# Allegro board MB1045.brd (continued)
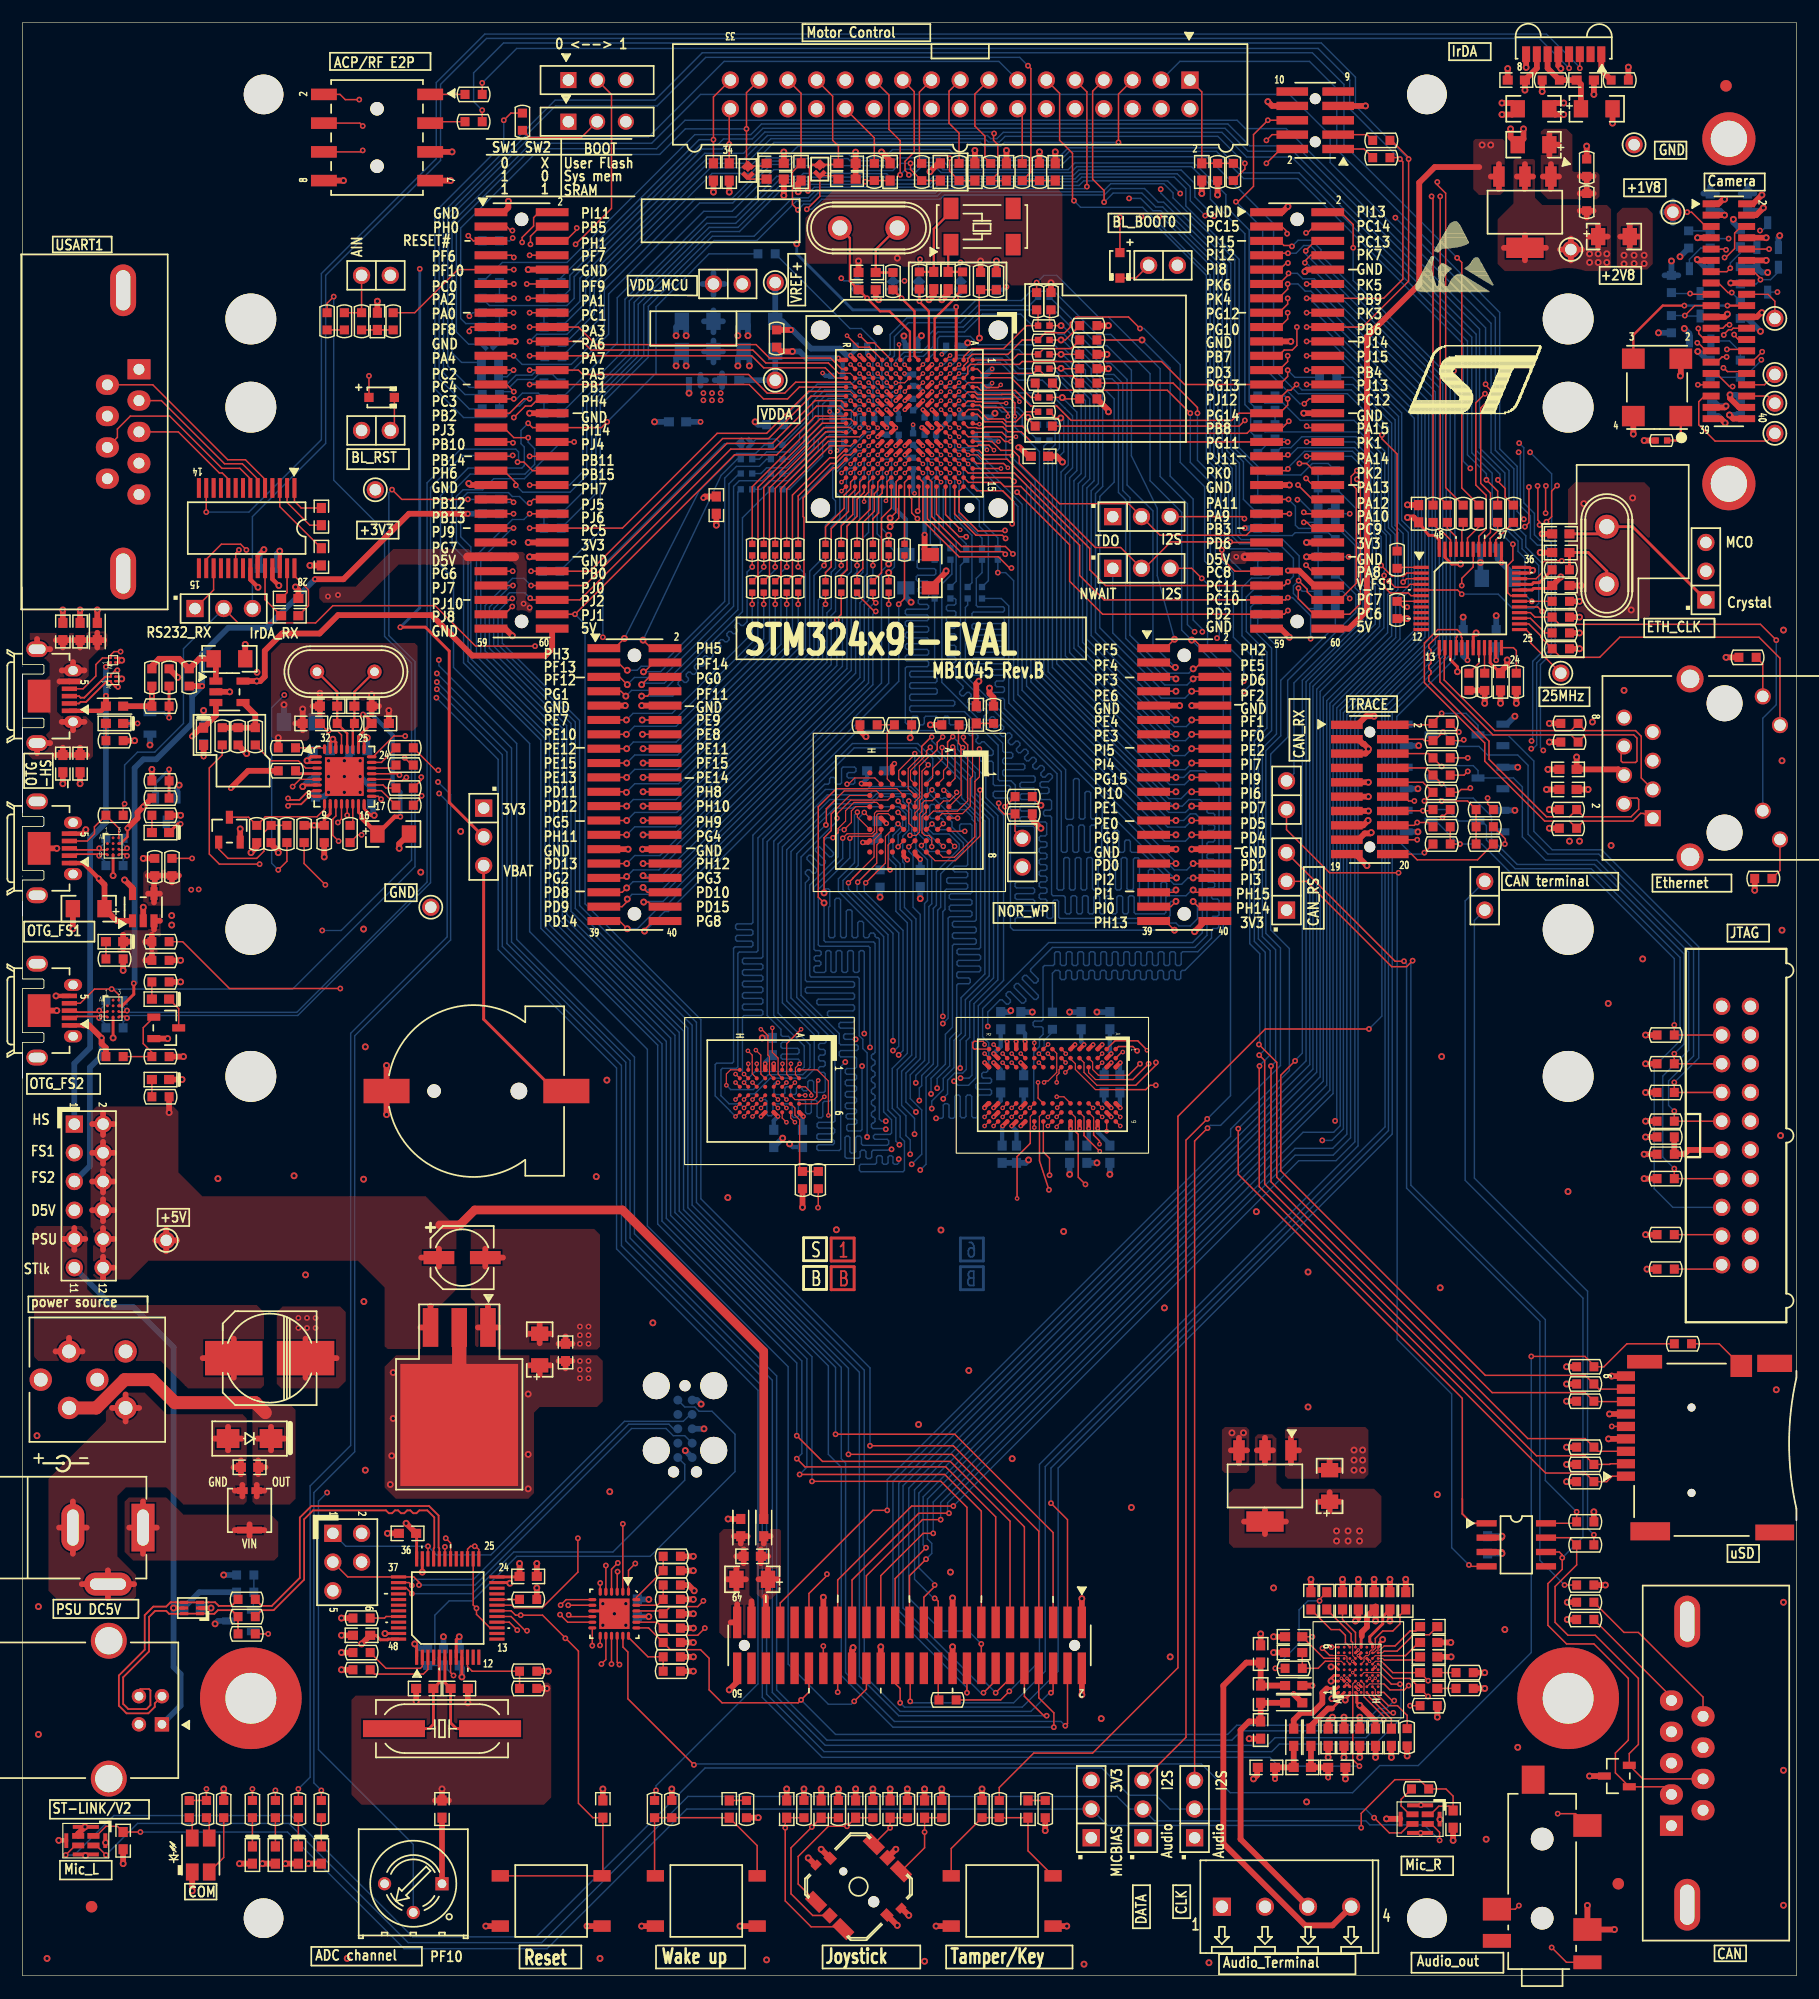
[diagram p0: board, top side]
## Routing (per net, layer and track width the routed paths; a pad name or vN(x,y) marks a point on that pad's centre or on a via; arc(x,y) is an arc through that point) (continued)
VBUS_FS1: length 180.6
  TOP w0.203: D5.B3 8.68,100.12 9.27,100.71 v1(9.27,101.47)
  TOP w0.381: CN14.1 5.36,98.4 v1(6.73,97.03)
  TOP w0.508: v1(9.27,101.47) 10.16,102.36 10.16,102.87 v1(10.67,103.38) R111.1 ; U9.1 8.31,93.29 C50.1 7.24,96.49 6.73,97 v1(6.73,97.03) ; CN7.54 114.2,122.94 112.88,124.26 v1(111.89,124.26)
  L4_SIG w0.508: JP12.3 3.18,74.17 3.18,76.45 6.1,79.38 6.1,94.74 6.73,95.38 v1(6.73,97.03) 5.84,97.92 5.84,100.33 6.99,101.47 v1(9.27,101.47) ; v1(10.67,103.38) 11.05,103.76 19.68,103.76 21.84,101.6 24,101.6 25.91,99.69 31.88,99.69 34.67,102.49 35.81,102.49 37.8,104.47 37.8,106.63 44.58,113.41 44.58,118.26 45.33,119.01 46.44,119.01 48.59,121.16 58.8,121.16 60.69,119.27 95.52,119.27 97.66,121.41 106.43,121.41 108.97,123.95 108.97,126.11 107.95,127.13 107.95,127.89 v1(108.08,128.02) 110.62,128.02 111.89,126.75 v1(111.89,124.26)
  BOTTOM w0.508: v1(108.08,128.02) R266.2
VBUS_FS2: length 90.9
  TOP w0.254: v1(9.83,87.76) 9.83,86.79 8.81,85.77 D6.B3
  TOP w0.381: 5.36,84.04 CN15.1
  TOP w0.508: v1(39.37,129.29) 34.16,129.29 28.37,123.49 v1(25.86,123.49) ; R83.1 v1(15.88,114.05) ; 5.36,84.04 5.87,84.04 v1(6.99,82.93) 6.99,82.42 7.37,82.04 R137.1
  L4_SIG w0.508: v1(9.83,87.76) 9.83,86.92 8,85.09 8,84.71 6.99,83.69 v1(6.99,82.93)
  BOTTOM w0.508: v1(39.37,129.29) R264.1 ; JP12.5 5.94,71.6 5.94,80.31 6.99,81.36 v1(6.99,82.93) ; v1(25.86,123.49) 21.56,119.2 18.19,119.2 15.88,116.89 v1(15.88,114.05) 14.99,113.16 14.99,110.74 11.81,107.57 10.67,107.57 9.91,106.81 9.91,87.83 v1(9.83,87.76)
VBUS_HS: length 46.5
  TOP w0.203: v1(7.37,115.75) 7.75,116.13 D3.A1
  TOP w0.381: L2.2 6.96,111.86 CN9.1
  TOP w0.508: L2.2 v1(7.37,113.18)
  BOTTOM w0.508: JP12.1 4.57,80.67 5.97,82.07 5.97,100.58 7.37,101.98 v1(7.37,113.18) v1(7.37,115.75)
VDD_MCU: length 47.7
  TOP w0.381: U3.H5 v2(78.01,139.29) ; v2(79.61,140.09) U3.G5 ; U3.E7 v2(80.41,138.49) ; U3.E9 v2(81.21,136.89) U3.E8 ; U3.J11 v2(77.21,134.49) ; v2(81.21,135.29) U3.E10 ; U3.K11 v2(76.41,134.49) ; U3.L10 v2(75.61,135.29) ; v2(75.61,138.49) U3.L7 ; U3.J5 v2(77.22,139.29) ; U3.F11 v2(80.41,134.49) ; U3.L8 v2(76.41,136.89) ; v2(79.61,134.49) U3.G11 ; U3.L9 v2(75.61,136.09) ; U3.H11 v2(78.01,134.49) ; U3.F5 v2(80.41,140.09) ; U3.K5 v2(76.41,140.09) ; U3.F4 v2(80.41,140.89)
  TOP w0.508: v1(88.04,135.15) 88.16,135.15 88.95,134.37 C25.2 ; v1(60.2,130.68) 60.33,130.81 C26.2
  BOTTOM w0.381: v2(75.61,138.49) 75.31,138.19 C122.1 ; v2(79.61,140.09) 79.11,140.59 C111.1 ; C118.1 85.6,137.79 v4(85.98,138.18) ; v2(86.28,135.66) 86.2,135.74 85.67,135.74 85.27,136.14 C127.1 ; C123.1 72.64,137.8 v2(72.06,138.38) 72.62,138.94 C114.1 ; v2(81.28,143.38) 81.66,143.76 C105.1 ; C125.1 80.77,135.73 v2(81.21,135.29) ; C130.1 78.26,134.24 v2(78.01,134.49) ; v2(72.01,134.87) 72.14,134.87 72.64,135.38 C129.1 ; C113.1 85.05,140.54 85.43,140.54 v2(85.72,140.84) ; C121.1 76.45,136.93 v2(76.41,136.89) ; v2(75.61,136.09) 75.79,136.27 C126.1 ; C115.1 78.17,139.45 v2(78.01,139.29) ; C120.1 80.77,138.12 v2(80.41,138.49) ; C106.1 78.02,144.23 78.02,144.47 77.9,144.58 77.9,144.86 77.93,144.88 v4(77.93,145.01) ; v2(79.61,134.49) 78.74,135.36 C128.1 ; C102.2 86.74,149.1 v1(87,149.35) ; C119.1 81.92,137.59 v2(81.21,136.89)
  BOTTOM w0.508: 61.09,146.3 61.93,146.3 ; 61.09,146.3 61.09,147.27 ; 61.09,146.3 61.09,145.34 ; 61.09,146.3 60.25,146.3 ; C112.1 59.94,141.58 ; C112.1 60.43,141.1 ; C112.1 59.94,140.61 ; JP2.2 62.05,149.61 ; JP2.2 61.09,148.64 ; JP2.2 60.12,149.61 ; JP2.2 61.09,150.57 ; 61.2,141.1 L10.1 ; L10.1 61.85,141.71 ; L10.1 61.85,140.49 ; C124.2 v1(59.94,137.41) ; 60.25,143.64 61.09,143.64 ; 61.09,143.64 61.09,144.6 ; 61.09,143.64 61.09,142.67 ; 61.09,143.64 61.93,143.64
  vias: v1(60.2,139.95) v1(60.2,139.32) v1(60.96,139.95) v1(60.96,139.32) v1(61.72,139.95) v1(61.72,139.32)
VDDA: length 15.6
  TOP w0.381: v2(72.14,143.05) 72.14,143.01 72.26,142.89 U3.R1
  TOP w0.508: R31.1 67.06,143.64 v4(68.07,143.64)
  BOTTOM w0.381: v2(72.14,143.05) 72.52,142.67 C110.2
  BOTTOM w0.508: L10.2 TP5.1 C108.1 v4(68.07,143.64) 68.71,143.64 69.29,143.05 v2(72.14,143.05)
A0: length 133.9
  TOP w0.102: U11.A3 69.22,78.61 69.74,78.09 v2(69.74,77.85) ; U10.G8 91.83,76.34 v2(91.44,75.95) ; U8.E2 77.47,105.81 77.47,106.58 78.84,107.95
  TOP w0.127: v5(78.89,108.08) 78.84,108.03 78.84,107.95 ; CN12.14 v4(103.38,109.78)
  L4_SIG w0.102: v4(103.38,109.78) 102.9,109.3 101.35,109.3 98.48,106.43 80.17,106.43 78.89,107.71 v5(78.89,108.08) ; v2(69.74,77.85) 69.74,77.84 70.21,77.37 71.32,77.37 71.42,77.47 71.7,77.47 71.9,77.27 72.11,77.27 72.31,77.47 72.51,77.47 72.72,77.27 72.92,77.27 73.12,77.47 73.33,77.47 73.53,77.27 73.73,77.27 73.94,77.47 74.14,77.47 74.34,77.27 74.55,77.27 74.75,77.47 74.95,77.47 75.16,77.27 75.36,77.27 75.56,77.47 75.77,77.47 75.97,77.27 76.17,77.27 76.38,77.47 76.58,77.47 76.78,77.27 76.98,77.27 77.19,77.47 77.39,77.47 77.59,77.27 77.8,77.27 78,77.47 78.2,77.47 78.41,77.27 78.61,77.27 78.81,77.47 79.21,77.47 v1(79.29,77.39) 79.57,77.11 83.59,77.11 84.28,77.81 89.83,77.81 91.44,76.2 v2(91.44,75.95)
  BOTTOM w0.127: v1(79.29,77.39) 79.29,78.5 79.5,78.71 79.5,79.6 80.53,80.63 80.53,94.39 80.8,94.65 80.8,97.64 82.8,99.64 82.8,99.69 82.82,99.7 82.82,100.06 81.92,100.97 80.52,100.97 79.88,101.6 79.88,104.14 78.89,105.13 v5(78.89,108.08) ; R231.2 91.15,142.11 91.62,141.65 91.62,141.65 93.98,139.29 93.98,132.59 93.34,131.95 93.34,117.6 101.73,109.22 102.82,109.22 v4(103.38,109.78)
A1: length 133.4
  TOP w0.102: U8.D2 78.51,105.77 78.51,106.58 79.88,107.95 ; U10.G9 91.44,75.12 v2(91.44,75.06) ; U11.A4 69.2,77.86 v2(69.2,77.85)
  TOP w0.127: v5(80.26,108.64) 79.93,108.31 79.93,108 79.88,107.95 ; CN12.12 v4(103.38,111.05)
  L4_SIG w0.102: v5(80.26,108.64) 80.26,108.46 81.53,107.19 97.89,107.19 101.22,110.52 102.84,110.52 v4(103.38,111.05) ; v2(69.2,77.85) 69.2,77.72 69.96,76.96 79.25,76.96 79.5,76.71 80.26,76.71 80.29,76.68 v1(80.39,76.68) 80.49,76.78 83.77,76.78 84.49,77.5 89.6,77.5 91.01,76.09 91.01,75.48 v2(91.44,75.06)
  BOTTOM w0.127: v5(80.26,108.64) 80.26,108.43 83.03,105.66 83.03,104.17 85.09,102.11 85.09,88.6 82.98,86.49 82.98,83.33 82.36,82.71 82.36,80.3 81.41,79.35 81.41,78.36 80.39,77.34 v1(80.39,76.68) ; v4(103.38,111.05) 103.38,110.95 102.9,110.46 101.83,110.46 94.11,118.19 94.11,131.57 94.74,132.21 94.74,139.61 93.22,141.13 93.22,141.57 92.04,142.75 91.44,142.75 R226.2
A2: length 130.3
  TOP w0.102: U8.C2 80.47,105.93 80.47,106.76 81.31,107.59 81.31,107.95 ; v2(70.89,77.72) 70.87,77.72 70.25,77.11 U11.A5 ; U10.F7 92.08,77.72 v2(91.44,77.72)
  TOP w0.127: v5(81.31,108.61) 81.31,107.95 ; CN12.8 v4(103.38,113.59)
  L4_SIG w0.102: v2(70.89,77.72) 70.97,77.72 71.07,77.82 79.66,77.82 79.93,77.55 v1(81.41,77.55) 83.49,77.55 84.06,78.11 84.45,78.11 84.46,78.11 91.06,78.11 v2(91.44,77.72) ; v4(103.38,113.59) 102.77,112.98 101.98,112.98 96.95,107.95 81.97,107.95 v5(81.31,108.61)
  BOTTOM w0.127: v4(103.38,113.59) 102.77,112.98 100.69,112.98 94.87,118.8 94.87,131.06 95.5,131.7 95.5,139.92 93.98,141.45 93.98,141.99 92.08,143.89 91.57,143.89 R224.2 ; v1(81.41,77.55) 81.41,77.6 81.79,77.98 81.79,79.19 82.42,79.82 83.12,79.82 83.44,80.14 83.44,82.68 83.74,82.98 83.74,86.13 85.85,88.24 85.85,102.43 83.92,104.36 83.92,105.97 81.31,108.58 v5(81.31,108.61)
A3: length 127.9
  TOP w0.102: 82.45,107.95 82.45,105.88 81.94,105.37 U8.A2 ; U11.B3 v2(68.29,78.98) ; v2(92.2,79.88) U10.F3
  TOP w0.127: v5(82.25,108.66) 82.45,108.46 82.45,107.95 ; v4(101.98,114.68) 101.8,114.86 CN12.5
  L4_SIG w0.102: v5(82.25,108.66) 82.25,108.69 82.6,109.04 83.41,109.04 83.97,109.6 96.77,109.6 101.85,114.68 v4(101.98,114.68) ; v2(92.2,79.88) 93.22,79.88 93.34,80.01 93.34,80.21 93.22,80.34 91.9,80.34 91.77,80.21 91.77,79.78 91.67,79.68 91.52,79.68 91.41,79.78 91.41,80.31 91.31,80.42 91.16,80.42 91.06,80.31 91.06,79.81 90.93,79.68 83.24,79.68 v1(82.93,79.38) 82.61,79.69 70.32,79.69 69.75,79.12 68.43,79.12 v2(68.29,78.98)
  BOTTOM w0.127: v1(82.93,79.38) 83.69,79.38 83.95,79.63 83.95,82.55 84.12,82.73 84.12,85.95 86.23,88.06 86.23,102.59 84.23,104.59 84.23,106.37 82.25,108.35 v5(82.25,108.66) ; R221.2 91.57,145.16 92.08,145.16 95,142.24 95,141.6 95.38,141.22 96.33,141.22 96.9,140.65 96.9,131.17 97.54,130.53 97.54,118.26 101.12,114.68 v4(101.98,114.68)
A4: length 133.3
  TOP w0.102: U8.B2 81.43,105.89 81.43,106.58 81.79,106.93 81.79,107.95 ; v2(92.24,81.53) 92.2,81.57 92.2,81.6 U10.G1 ; U11.B4 68.3,77.47 69.98,77.47 70.23,77.72 70.23,79.01 70.35,79.13 v2(70.35,79.17)
  TOP w0.127: v4(101.93,115.7) 101.6,115.7 101.17,116.13 CN12.3 ; v5(82.25,109.58) 82.25,109.55 81.79,109.09 81.79,107.95
  L4_SIG w0.102: v5(82.25,109.58) 82.58,109.58 83.49,110.49 96.39,110.49 101.6,115.7 v4(101.93,115.7) ; v2(70.35,79.17) 70.39,79.17 70.61,79.39 82.07,79.39 v1(82.36,79.1) 82.44,79.1 82.61,78.92 83.11,78.92 83.54,79.35 93.73,79.35 93.85,79.48 93.85,81.41 93.73,81.53 v2(92.24,81.53)
  BOTTOM w0.127: R217.2 91.31,147.19 95.9,142.61 96.22,142.61 97.66,141.16 97.66,131.83 99.95,129.54 99.95,117.68 v4(101.93,115.7) ; v5(82.25,109.58) 82.68,109.14 82.68,108.46 82.96,108.18 85.17,105.97 85.17,104.19 86.74,102.62 86.74,88.01 84.51,85.78 84.51,82.57 84.33,82.39 84.33,79.43 83.64,78.74 82.72,78.74 v1(82.36,79.1)
A5: length 132.2
  TOP w0.102: v2(92.22,80.75) 92.2,80.77 92.2,80.8 U10.G2 ; 79.5,107.95 78.31,106.76 78.31,104.97 U8.D3 ; U11.C3 v2(67.54,78.98)
  TOP w0.127: 79.5,107.95 79.5,108.71 80.34,109.55 v5(80.39,109.55) ; v4(101.85,118.19) 101.07,117.4 CN12.1
  L4_SIG w0.102: v5(80.39,109.55) 80.42,109.55 81.86,111 94.67,111 v4(101.85,118.19) ; v2(92.22,80.75) 93.38,80.75 93.5,80.87 93.5,81.03 93.38,81.15 91.76,81.15 91.66,81.05 91.66,80.82 91.56,80.72 91.36,80.72 91.26,80.82 91.26,81.03 91.13,81.15 90.95,81.15 90.83,81.03 90.83,80.77 90.7,80.64 90.37,80.64 90.25,80.52 90.25,80.39 90.37,80.26 90.65,80.26 90.78,80.14 90.78,80.01 90.65,79.88 84.56,79.88 84.18,80.26 v1(82.91,80.26) 82.65,80.01 70.31,80.01 69.75,79.45 68.01,79.45 v2(67.54,78.98)
  BOTTOM w0.127: R213.2 95.11,144.16 95.87,144.16 98.04,141.99 98.04,134.42 100.33,129.76 100.33,123.83 v4(101.85,118.19) ; v1(82.91,80.26) 82.91,82.72 83.36,83.17 83.36,86.31 85.47,88.42 85.47,102.27 83.54,104.2 83.54,105.69 81.28,107.95 80.87,108.36 80.87,108.74 80.39,109.22 v5(80.39,109.55)
A6: length 127.5
  TOP w0.102: U8.C3 v5(80.41,104.87) ; U10.G3 91.64,80.12 91.64,79.8 91.44,79.6 v2(91.44,78.99) ; U11.C4 v2(67.54,77.48)
  TOP w0.127: CN11.5 52.78,114.86 v4(53.47,114.17)
  L4_SIG w0.102: v5(80.41,104.87) 78.52,104.87 69.72,113.67 54.48,113.67 53.98,114.17 v4(53.47,114.17) ; v2(91.44,78.99) 90.81,78.36 84.45,78.36 84.39,78.42 83.93,78.42 83.49,77.98 v1(80.33,77.98) 79.93,77.98 79.7,78.21 68.26,78.21 v2(67.54,77.48)
  BOTTOM w0.127: v1(80.33,77.98) 80.33,79.35 81.6,80.62 81.6,83.25 82.22,83.87 82.22,91.08 82.35,91.21 84.2,91.21 84.33,91.34 84.33,91.59 84.2,91.72 82.35,91.72 82.22,91.85 82.22,92.1 82.35,92.23 84.2,92.23 84.33,92.35 84.33,92.61 84.2,92.74 82.35,92.74 82.22,92.86 82.22,93.12 82.35,93.24 84.2,93.24 84.33,93.37 84.33,101.88 83.95,102.26 83.95,102.49 83.31,103.12 82.17,103.12 81.74,103.55 81.74,103.73 81.8,103.79 81.8,103.97 81.62,104.15 81.44,104.15 81.38,104.09 81.2,104.09 80.42,104.87 v5(80.41,104.87) ; v4(53.47,114.17) 54.1,114.81 56.57,114.81 62.87,121.11 62.87,131.7 63.37,132.21 65.41,132.21 66.04,132.84 R253.2
A7: length 131.6
  TOP w0.102: U10.H1 91.44,81.56 91.44,79.88 90.68,79.12 90.45,79.12 v2(90.32,78.99) ; U8.A3 v5(81.45,104.83) ; U11.D4 v2(66.79,77.48)
  TOP w0.127: CN11.3 52.65,116.13 53.34,115.44 v4(53.47,115.44)
  L4_SIG w0.102: v2(66.79,77.48) 67.72,78.41 69.49,78.41 69.6,78.51 80.84,78.51 v1(80.87,78.49) 81.07,78.28 83.36,78.28 83.82,78.74 84.45,78.74 84.56,78.64 90.27,78.64 90.32,78.69 v2(90.32,78.99) ; v4(53.47,115.44) 54.13,114.78 70.64,114.78 79.88,105.54 80.74,105.54 v5(81.45,104.83)
  BOTTOM w0.127: v1(80.87,78.49) 80.87,79.35 81.98,80.46 81.98,82.87 82.6,83.49 82.6,87.6 82.73,87.72 83.67,87.72 83.79,87.85 83.79,88.1 83.67,88.23 82.73,88.23 82.6,88.36 82.6,88.65 82.73,88.77 84.58,88.77 84.71,88.9 84.71,89.15 84.58,89.28 82.75,89.28 82.63,89.41 82.63,89.66 82.75,89.79 84.58,89.79 84.71,89.92 84.71,90.17 84.58,90.3 82.75,90.3 82.63,90.42 82.63,90.68 82.75,90.81 84.58,90.81 84.71,90.93 84.71,101.95 84.45,102.21 84.45,102.36 83.19,103.63 82.91,103.63 81.71,104.83 v5(81.45,104.83) ; R250.2 65.79,134.11 65.15,133.48 63.12,133.48 62.08,132.44 62.08,121.54 56.34,115.8 54.69,115.8 54.34,115.44 v4(53.47,115.44)
A8: length 135.3
  TOP w0.102: U8.B6 81.41,101.87 v5(81.41,101.88) ; U11.H2 v2(63.04,79.73) ; v2(90.66,81.54) U10.H2
  TOP w0.127: CN11.4 55.8,116.13 54.99,115.32 54.91,115.32 v4(54.9,115.3)
  L4_SIG w0.102: v2(63.04,79.73) 63.04,80.26 63.37,80.6 63.37,83.31 64.9,84.84 v1(81.37,84.84) 81.37,85.88 81.5,86 81.74,86 81.86,85.88 81.86,85.5 81.99,85.37 82.22,85.37 82.32,85.47 82.32,85.89 82.44,86 82.61,86 82.73,85.89 82.73,85.47 82.83,85.37 83.03,85.37 83.13,85.47 83.13,85.89 83.25,86 83.42,86 83.54,85.89 83.54,85.47 83.64,85.37 83.85,85.37 83.95,85.47 83.95,85.89 84.07,86 84.23,86 84.35,85.89 84.35,85.47 84.45,85.37 84.66,85.37 84.76,85.47 84.76,85.89 84.88,86 85.05,86 85.17,85.89 85.17,85.47 85.27,85.37 85.47,85.37 85.57,85.47 85.57,85.89 85.69,86 85.86,86 85.98,85.89 85.98,85.47 86.08,85.37 86.33,85.37 86.46,85.5 86.46,85.88 86.59,86 86.74,86 86.87,85.88 86.87,84.86 87,84.73 87.86,84.73 87.96,84.84 87.96,85.29 88.06,85.39 88.27,85.39 88.37,85.29 88.37,84.84 88.47,84.73 89.87,84.73 90.27,84.33 90.27,82.22 90.66,81.83 v2(90.66,81.54) ; v5(81.41,101.88) 81.92,102.39 81.92,104.92 81.1,105.74 80.11,105.74 70.55,115.3 v4(54.9,115.3)
  BOTTOM w0.127: v1(81.37,84.84) 81.37,94.09 81.56,94.28 81.56,95.96 81.69,96.09 83.44,96.09 83.57,96.22 83.57,96.47 83.44,96.6 81.84,96.6 81.71,96.72 81.71,96.98 81.84,97.1 83.44,97.1 83.57,97.23 83.57,97.49 83.44,97.61 82.42,97.61 82.3,97.74 82.3,97.99 82.42,98.12 83.44,98.12 83.57,98.25 83.57,100.2 82.18,101.59 82.18,102.02 81.33,102.87 80.85,102.87 80.72,103 80.72,103.45 80.59,103.58 80.34,103.58 80.21,103.45 80.21,102.46 80.34,102.34 81.28,102.34 81.41,102.21 v5(81.41,101.88) ; v4(54.9,115.3) 54.91,115.32 56.41,115.32 62.46,121.36 62.46,131.93 63.37,132.84 R254.2
A9: length 134.9
  TOP w0.102: U11.H3 v2(63.04,78.98) ; U8.A6 82.07,101.21 v5(83.31,101.21) ; v2(89.86,80.74) U10.J3
  TOP w0.127: CN11.18 v4(54.86,107.24)
  L4_SIG w0.102: v2(63.04,78.98) 63.43,79.38 63.43,80.26 63.75,80.58 63.75,83.06 64.9,84.2 v1(81.37,84.2) 81.71,84.2 81.84,84.33 81.84,84.94 81.97,85.06 82.19,85.06 82.32,84.94 82.32,84.2 82.45,84.07 82.67,84.07 82.8,84.2 82.8,84.95 82.92,85.06 83.09,85.06 83.21,84.95 83.21,84.19 83.32,84.07 83.49,84.07 83.61,84.19 83.61,84.95 83.73,85.06 83.9,85.06 84.02,84.95 84.02,84.19 84.14,84.07 84.31,84.07 84.42,84.19 84.42,84.95 84.54,85.06 84.71,85.06 84.83,84.95 84.83,84.45 84.95,84.33 85.12,84.33 85.24,84.45 85.24,84.95 85.36,85.06 85.52,85.06 85.64,84.95 85.64,84.4 85.76,84.28 85.93,84.28 86.05,84.4 86.05,84.94 86.15,85.04 86.36,85.04 86.46,84.94 86.46,84.48 86.56,84.38 89.79,84.38 89.92,84.25 89.92,82.17 90.22,81.86 90.22,81.36 89.86,80.99 v2(89.86,80.74) ; v4(54.86,107.24) 64.92,107.24 70.84,101.32 71.25,101.32 71.78,101.85 72.69,101.85 73.04,101.51 76.51,101.51 76.54,101.48 78.9,101.48 79.54,100.84 82.17,100.84 82.54,101.21 v5(83.31,101.21)
  BOTTOM w0.127: v1(81.37,84.2) 81.37,84.21 81.84,84.68 81.84,93.52 81.97,93.65 83.82,93.65 83.95,93.78 83.95,94.03 83.82,94.16 82.07,94.16 81.94,94.28 81.94,94.54 82.07,94.67 83.82,94.67 83.95,94.79 83.95,95.05 83.82,95.17 82.07,95.17 81.94,95.3 81.94,95.55 82.07,95.68 83.82,95.68 83.95,95.81 83.95,101.73 83.82,101.85 82.98,101.85 82.85,101.73 82.85,101.33 82.98,101.21 v5(83.31,101.21) ; v4(54.86,107.24) 54.94,107.31 57.91,107.31 68.07,117.47 68.07,125.09 R273.2
A10: length 133.1
  TOP w0.102: U11.H4 v2(63.04,77.48) ; v5(80.41,101.85) 79.93,101.37 U8.C6 ; v2(91.48,76.76) U10.G7
  TOP w0.127: CN11.6 55.42,114.86 v4(54.74,114.17)
  L4_SIG w0.102: v2(91.48,76.76) 91.8,76.45 91.8,74.85 90.18,73.24 89.32,73.24 88.75,72.67 88.58,72.67 88.09,73.16 87.94,73.16 87.8,73.02 87.8,72.87 88.38,72.29 88.38,72.13 88.26,72.01 88.09,72.01 87.51,72.59 87.37,72.59 87.23,72.44 87.23,72.3 87.76,71.77 87.76,71.67 87.34,71.25 v1(79.38,71.25) 67.23,71.25 62.61,75.87 62.61,77.05 v2(63.04,77.48) ; v4(54.74,114.17) 70.74,114.17 79.65,105.26 80.57,105.26 80.8,105.03 80.8,102.25 v5(80.41,101.85)
  BOTTOM w0.127: v4(54.74,114.17) 54.86,114.3 56.74,114.3 63.25,120.8 63.25,131.19 R258.2 ; v1(79.38,71.25) 79.88,71.75 79.88,79.44 80.91,80.47 80.91,94.22 81.18,94.49 81.18,97.43 83.19,99.44 83.19,100.15 81.99,101.35 80.92,101.35 v5(80.41,101.85)
A11: length 134.5
  TOP w0.102: v2(90.66,75.14) U10.H9 ; U11.H5 v2(63.04,76.73) ; U8.D6 78.36,101.92 v5(78.36,103.89)
  TOP w0.127: CN11.7 52.91,113.59 v4(53.34,113.16)
  L4_SIG w0.102: v5(78.36,103.89) 78.36,104.52 71.25,111.63 62.68,111.63 62.57,111.73 62.57,111.91 62.47,112.01 62.27,112.01 62.17,111.91 62.17,111.73 62.07,111.63 61.86,111.63 61.76,111.73 61.76,111.91 61.66,112.01 61.46,112.01 61.36,111.91 61.36,111.73 61.25,111.63 61.05,111.63 60.95,111.73 60.95,111.91 60.85,112.01 60.64,112.01 60.54,111.91 60.54,111.73 60.44,111.63 60.24,111.63 60.14,111.73 60.14,111.91 60.03,112.01 59.83,112.01 59.73,111.91 59.73,111.73 59.63,111.63 59.43,111.63 59.32,111.73 59.32,111.91 59.22,112.01 59.02,112.01 58.92,111.91 58.92,111.73 58.82,111.63 58.61,111.63 58.51,111.73 58.51,111.91 58.41,112.01 58.21,112.01 58.1,111.91 58.1,111.73 58,111.63 57.8,111.63 57.7,111.73 57.7,111.91 57.6,112.01 57.39,112.01 57.29,111.91 57.29,111.73 57.19,111.63 56.99,111.63 56.89,111.73 56.89,111.91 56.78,112.01 56.58,112.01 56.48,111.91 56.48,111.73 56.38,111.63 56.17,111.63 56.07,111.73 56.07,111.91 55.97,112.01 55.77,112.01 55.67,111.91 55.67,111.73 55.56,111.63 54.48,111.63 53.98,112.14 53.98,112.52 v4(53.34,113.16) ; v2(63.04,76.73) 63.4,76.38 63.4,75.67 67.31,71.75 v1(78.61,71.75) 86.08,71.75 86.28,71.95 86.42,71.95 86.65,71.73 86.79,71.73 86.93,71.87 86.93,72.02 86.71,72.24 86.71,72.38 88.02,73.7 88.54,73.7 88.65,73.8 88.65,74.68 88.77,74.8 88.93,74.8 89.05,74.68 89.05,73.8 89.15,73.7 90.18,73.7 90.66,74.17 v2(90.66,75.14)
  BOTTOM w0.127: R257.2 63.65,128.93 63.65,120.62 56.69,113.67 53.85,113.67 v4(53.34,113.16) ; v5(78.36,103.89) 78.87,103.38 78.87,100.97 78.99,100.84 78.99,99.69 80.01,98.68 80.01,95.07 79.76,94.82 79.76,80.93 78.49,79.66 78.49,77.57 79.5,76.55 79.5,72.64 v1(78.61,71.75)
A12: length 116.3
  TOP w0.102: v2(63.79,78.98) U11.G3 ; U8.B7 v5(81.41,99.87)
  TOP w0.127: v4(53.42,97.21) 53.29,97.08 CN11.33
  L4_SIG w0.102: v5(81.41,99.87) 81.41,99.87 81.41,98.68 79.78,97.05 75.41,97.05 75.08,97.38 55.68,97.38 55.02,96.72 54.28,96.72 53.8,97.21 v4(53.42,97.21)
  BOTTOM w0.127: v5(81.41,99.87) 81.23,99.87 79.63,101.47 79.63,104.05 78.52,105.16 74.93,105.16 74.68,104.9 70.99,104.9 66.42,100.33 66.42,84.91 69.11,82.22 69.11,80.35 68.72,79.96 64.77,79.96 v2(63.79,78.98) ; v4(53.42,97.21) 54,97.79 56.26,97.79 73.66,115.19 73.66,122.17 R285.2
A13: length 120.6
  TOP w0.102: U8.A7 v5(82.41,99.87) ; v2(63.79,77.48) U11.G4
  TOP w0.127: CN11.34 55.07,97.08 v4(54.86,97.28)
  L4_SIG w0.102: v4(54.86,97.28) 55.02,97.28 55.45,97.71 75.26,97.71 75.59,97.38 79.48,97.38 80.9,98.81 80.9,99.92 81.31,100.33 81.95,100.33 v5(82.41,99.87)
  BOTTOM w0.127: R269.2 74.68,125.09 74.68,123.96 74.42,123.7 74.42,121.79 74.04,121.41 74.04,114.81 56.44,97.21 54.94,97.21 v4(54.86,97.28) ; v2(63.79,77.48) 64.29,77.98 64.72,77.98 66.12,79.38 69.22,79.38 70,80.16 70,83.21 67.18,86.03 67.18,99.82 71.37,104.01 74.99,104.01 75.5,104.52 78.49,104.52 79.12,103.89 79.12,101.09 79.88,100.33 79.88,99.69 80.16,99.42 81.96,99.42 v5(82.41,99.87)
A14: length 130.1
  TOP w0.102: v5(79.48,99.95) 79.49,99.95 U8.C7 ; v2(89.79,78.99) 89.79,77.61 U10.J7 ; U11.F3 v2(64.54,78.98)
  TOP w0.127: CN11.28 v4(54.86,100.89)
  L4_SIG w0.102: v5(79.48,99.95) 78.84,99.31 78.21,99.31 77.57,98.68 68.2,98.68 65.99,100.89 65.02,100.89 64.92,100.79 64.92,100.05 64.82,99.95 64.62,99.95 64.51,100.05 64.51,100.79 64.41,100.89 64.21,100.89 64.11,100.79 64.11,100.05 64.01,99.95 63.8,99.95 63.7,100.05 63.7,100.79 63.6,100.89 63.4,100.89 63.3,100.79 63.3,100.05 63.19,99.95 62.99,99.95 62.89,100.05 62.89,100.79 62.79,100.89 62.58,100.89 62.48,100.79 62.48,100.05 62.38,99.95 62.18,99.95 62.08,100.05 62.08,100.79 61.97,100.89 61.77,100.89 61.67,100.79 61.67,100.05 61.57,99.95 61.37,99.95 61.26,100.05 61.26,100.79 61.16,100.89 60.96,100.89 60.86,100.79 60.86,100.05 60.76,99.95 60.55,99.95 60.45,100.05 60.45,100.79 60.35,100.89 60.15,100.89 60.04,100.79 60.04,100.05 59.94,99.95 59.74,99.95 59.64,100.05 59.64,100.79 59.54,100.89 59.33,100.89 59.23,100.79 59.23,100.05 59.13,99.95 58.93,99.95 58.83,100.05 58.83,100.79 58.72,100.89 58.52,100.89 58.42,100.79 58.42,100.05 58.32,99.95 58.11,99.95 58.01,100.05 58.01,100.79 57.91,100.89 57.71,100.89 57.61,100.79 57.61,100.05 57.5,99.95 57.3,99.95 57.2,100.05 57.2,100.79 57.1,100.89 56.89,100.89 56.79,100.79 56.79,100.05 56.69,99.95 56.49,99.95 56.39,100.05 56.39,100.79 56.29,100.89 56.08,100.89 55.98,100.79 55.98,100.05 55.88,99.95 55.68,99.95 55.57,100.05 55.57,100.79 55.47,100.89 v4(54.86,100.89) ; v2(89.79,78.99) 84.44,78.99 84.39,79.04 83.7,79.04 83.24,78.59 82.07,78.59 81.94,78.71 81.94,78.96 81.83,79.07 81.67,79.07 81.56,78.96 81.56,78.82 81.43,78.69 81.28,78.69 81.15,78.82 81.15,78.94 81.03,79.07 80.5,79.07 80.4,78.97 80.4,78.92 80.3,78.82 80.1,78.82 80,78.92 80,78.97 79.89,79.07 79.09,79.07 v1(78.98,78.96) 70.84,78.96 70.7,78.82 69.35,78.82 69.15,78.61 65.02,78.61 64.65,78.98 v2(64.54,78.98)
  BOTTOM w0.127: R286.2 72.39,120.21 72.49,120.11 72.49,115.8 57.66,100.97 54.94,100.97 v4(54.86,100.89) ; v5(79.48,99.95) 79.48,99.72 80.39,98.81 80.39,94.79 80.14,94.54 80.14,80.77 78.98,79.62 v1(78.98,78.96)
A15: length 133.4
  TOP w0.102: U11.F4 v2(64.54,77.48) ; U8.D7 78.91,100.37 78.37,99.83 v5(78.36,99.83) ; v2(90.66,75.94) U10.H8
  TOP w0.127: CN11.25 v4(53.42,102.16)
  L4_SIG w0.102: v4(53.42,102.16) 54.1,101.47 55.95,101.47 56.05,101.57 56.05,102.16 56.16,102.26 56.36,102.26 56.46,102.16 56.46,101.57 56.56,101.47 56.76,101.47 56.87,101.57 56.87,102.16 56.97,102.26 57.17,102.26 57.27,102.16 57.27,101.57 57.37,101.47 57.58,101.47 57.68,101.57 57.68,102.16 57.78,102.26 57.98,102.26 58.09,102.16 58.09,101.57 58.19,101.47 58.39,101.47 58.49,101.57 58.49,102.16 58.59,102.26 58.8,102.26 58.9,102.16 58.9,101.57 59,101.47 59.2,101.47 59.3,101.57 59.3,102.16 59.41,102.26 59.61,102.26 59.71,102.16 59.71,101.57 59.81,101.47 60.02,101.47 60.12,101.57 60.12,102.16 60.22,102.26 60.42,102.26 60.52,102.16 60.52,101.57 60.63,101.47 60.83,101.47 60.93,101.57 60.93,102.16 61.03,102.26 61.24,102.26 61.34,102.16 61.34,101.57 61.44,101.47 61.64,101.47 61.74,101.57 61.74,102.16 61.84,102.26 62.05,102.26 62.15,102.16 62.15,101.57 62.25,101.47 62.45,101.47 62.56,101.57 62.56,102.16 62.66,102.26 62.86,102.26 62.96,102.16 62.96,101.57 63.06,101.47 63.27,101.47 63.37,101.57 63.37,102.16 63.47,102.26 63.67,102.26 63.78,102.16 63.78,101.57 63.88,101.47 64.08,101.47 64.18,101.57 64.18,102.16 64.28,102.26 64.49,102.26 64.59,102.16 64.59,101.57 64.69,101.47 64.89,101.47 64.99,101.57 64.99,102.16 65.1,102.26 65.3,102.26 65.4,102.16 65.4,101.57 65.5,101.47 65.99,101.47 68.4,99.06 77.58,99.06 v5(78.36,99.83) ; v2(64.54,77.48) 64.93,77.09 67.69,77.09 69.37,77.09 69.88,76.58 78.74,76.58 78.94,76.38 v1(78.99,76.38) 79.12,76.25 80.7,76.25 80.92,76.48 84.01,76.48 84.83,77.3 89.36,77.3 89.48,77.17 89.48,76.07 89.61,75.95 89.84,75.95 89.97,76.07 89.97,76.17 90.09,76.3 90.3,76.3 90.53,76.07 90.53,76.07 90.65,75.94 v2(90.66,75.94)
  BOTTOM w0.127: R271.2 71.88,125.09 71.88,124.49 71.5,124.11 71.5,120.9 71.12,120.52 71.12,116.15 57.84,102.87 54.13,102.87 v4(53.42,102.16) ; v1(78.99,76.38) 78.11,77.27 78.11,79.82 79.38,81.09 79.38,93.85 78.74,94.49 78.74,99.06 78.36,99.44 v5(78.36,99.83)
A16: length 114.2
  TOP w0.102: v2(65.29,77.48) U11.E4 ; v5(77.42,99.83) 77.42,99.88 U8.E7
  TOP w0.127: v4(53.39,104.65) 53.34,104.7 CN11.21
  L4_SIG w0.102: v4(53.39,104.65) 53.47,104.65 54.1,104.01 64.72,104.01 68.91,99.82 77.4,99.82 v5(77.42,99.83)
  BOTTOM w0.127: v5(77.42,99.83) 77.42,100.91 78.11,101.6 78.11,102.74 77.82,103.03 77.82,103.04 77.48,103.38 73.53,103.38 73.41,103.25 71.79,103.25 67.94,99.41 67.94,86.46 71.45,82.96 71.45,77.44 71.32,77.32 70.88,77.32 70.75,77.19 70.75,76 70.63,75.87 70.37,75.87 70.25,76 70.25,77.32 70.12,77.44 69.87,77.44 69.74,77.32 69.74,76.35 69.61,76.23 69.36,76.23 69.23,76.35 69.23,77.32 69.1,77.44 68.73,77.44 68.61,77.32 68.61,76.02 68.48,75.9 68.17,75.9 68.05,76.02 68.05,76.97 67.92,77.1 66.47,77.1 66.34,76.97 66.34,76.17 66.22,76.05 65.94,76.05 65.81,76.17 65.81,77.34 65.67,77.48 v2(65.29,77.48) ; R272.1 69.6,124.21 69.6,117.02 57.99,105.41 54.13,105.41 53.39,104.67 v4(53.39,104.65)
A17: length 114.8
  TOP w0.102: U8.B3 80.9,104.37 80.44,103.91 79.76,103.91 79.53,103.68 79.53,102.97 79.29,102.74 79.29,101.11 79.02,100.84 v5(78.46,100.84) ; v2(66.79,78.98) U11.D3
  TOP w0.127: CN11.23 v4(53.42,103.43)
  L4_SIG w0.102: v4(53.42,103.43) 54.1,102.74 65.38,102.74 68.68,99.44 77.68,99.44 77.97,99.73 77.97,100.34 v5(78.46,100.84)
  BOTTOM w0.127: R287.2 70.36,121.67 70.36,116.59 57.78,104.01 54,104.01 v4(53.42,103.43) ; v2(66.79,78.98) 66.57,78.98 66.45,78.85 66.45,78.05 66.57,77.93 67.28,77.93 67.4,78.05 67.4,78.49 67.53,78.61 67.78,78.61 67.91,78.49 67.91,78.05 68.04,77.93 68.29,77.93 68.42,78.05 68.42,78.49 68.55,78.61 68.8,78.61 68.93,78.49 68.93,78.38 69.05,78.26 69.31,78.26 69.44,78.38 69.44,79.04 69.56,79.17 69.82,79.17 69.94,79.04 69.94,78.23 70.07,78.11 70.84,78.11 70.97,78.23 70.97,79.76 70.84,79.88 70.51,79.88 70.38,80.01 70.38,80.26 70.51,80.39 70.84,80.39 70.97,80.52 70.97,80.77 70.84,80.9 70.51,80.9 70.38,81.03 70.38,81.28 70.51,81.41 70.84,81.41 70.97,81.53 70.97,81.79 70.84,81.92 70.51,81.92 70.38,82.04 70.38,82.32 70.51,82.45 70.92,82.45 71.04,82.58 71.04,82.78 70.92,82.91 70.51,82.91 70.38,83.03 70.38,83.39 67.56,86.21 67.56,99.57 71.63,103.63 75.06,103.63 75.7,104.28 77.71,104.28 77.85,104.14 77.85,103.82 78.19,103.48 78.2,103.48 78.61,103.07 78.61,100.99 v5(78.46,100.84)